# KiCad board Leonhart.kicad_pcb (continued)
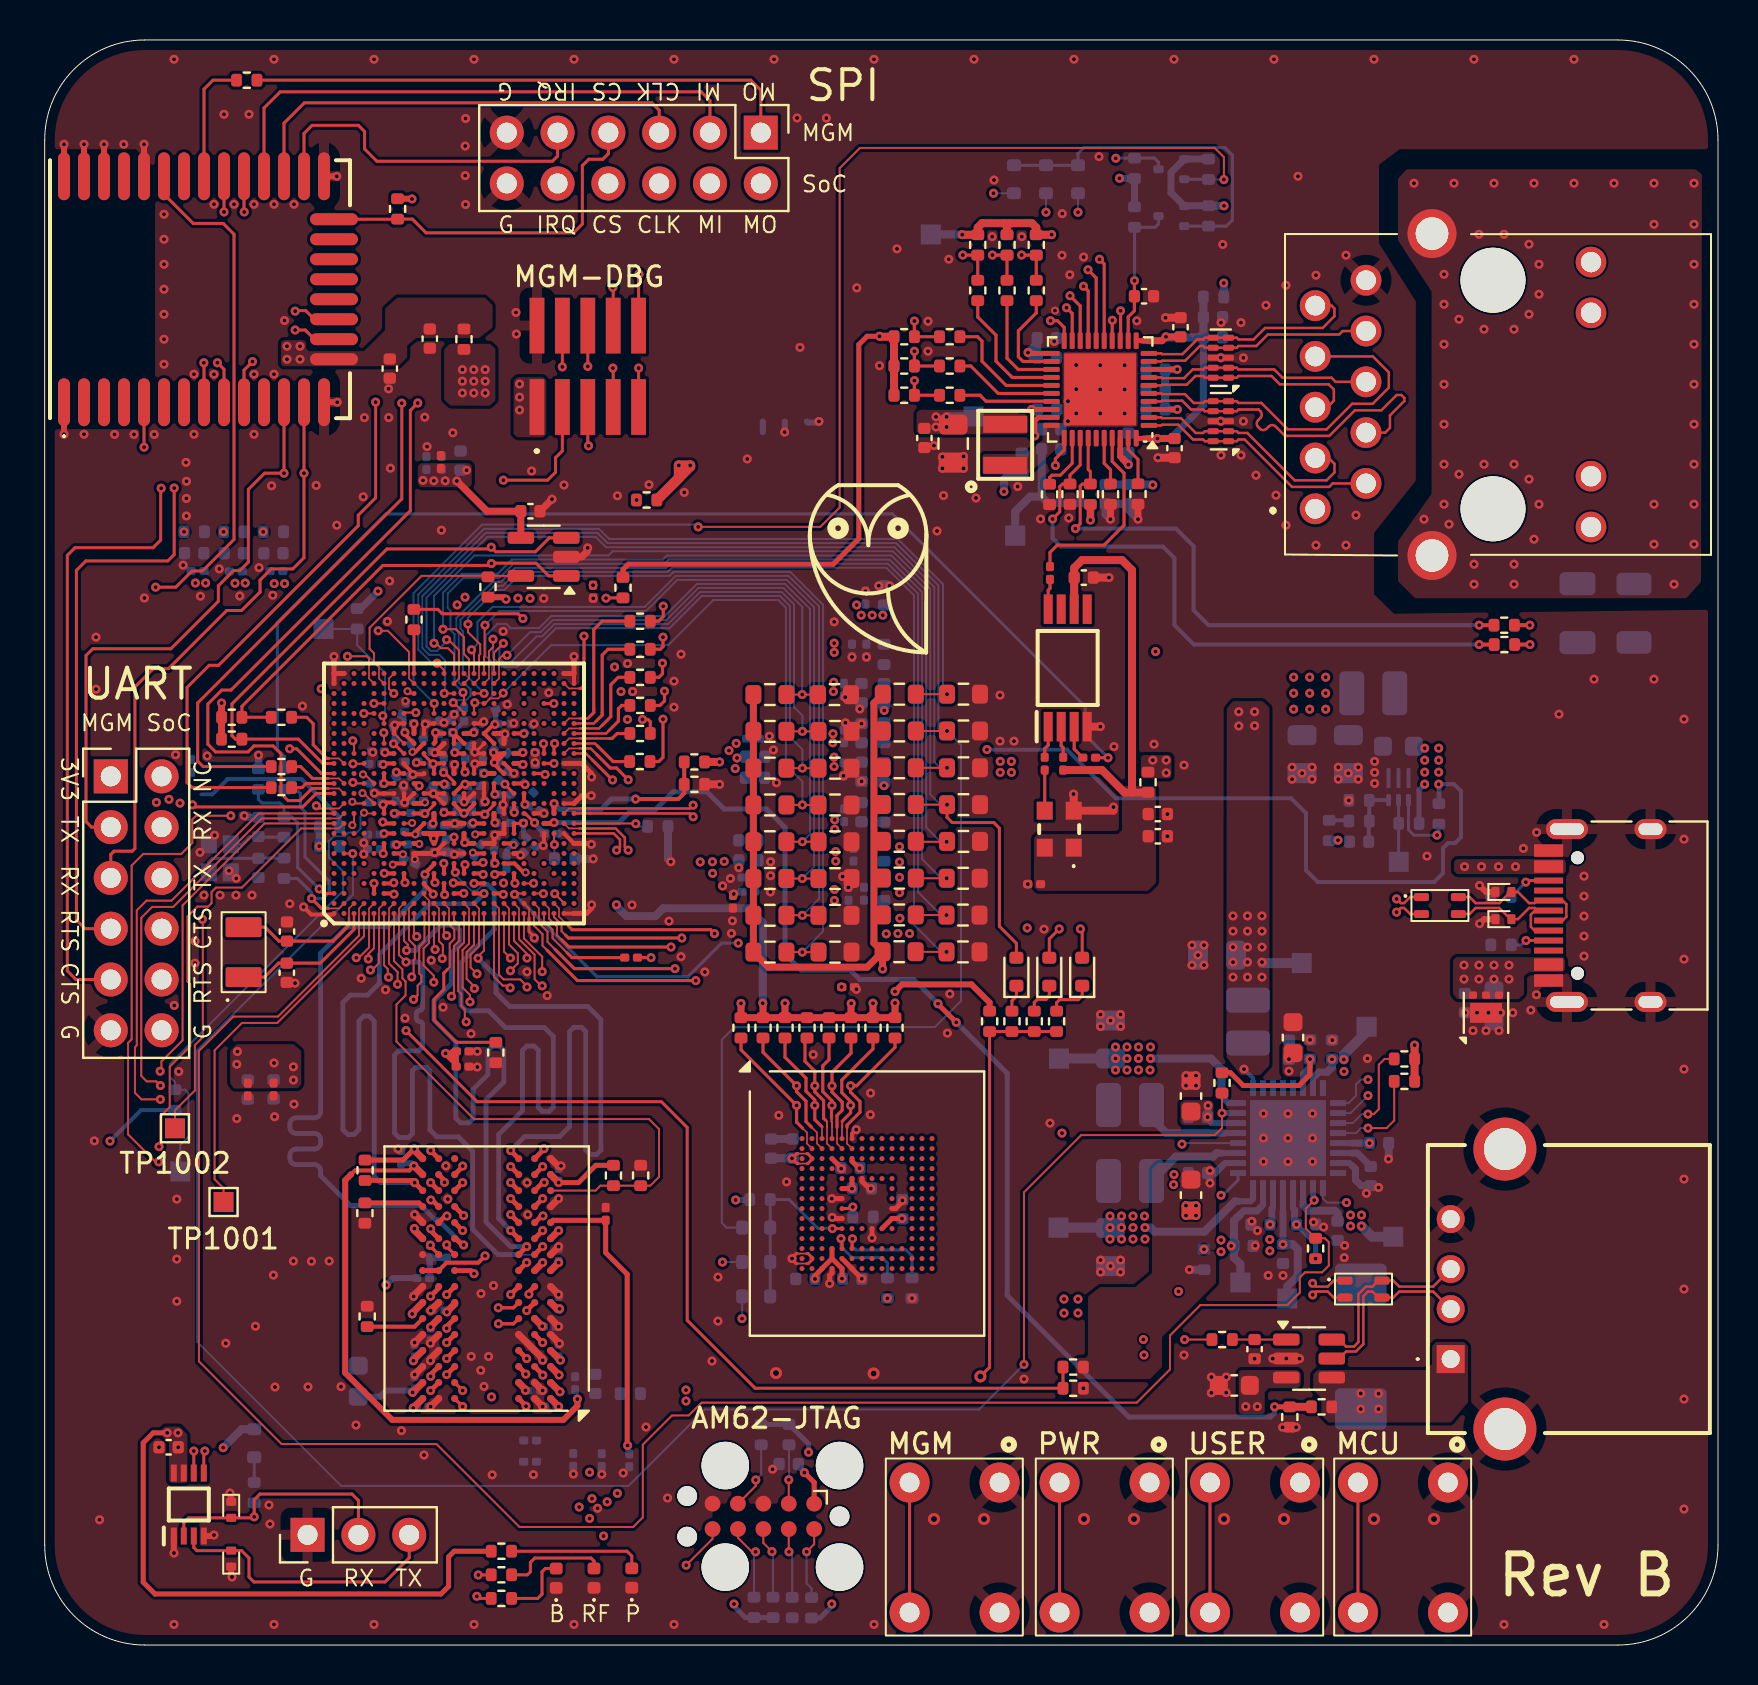
[diagram p0: board, top side]
## Routing (per net, layer and track width the routed paths; a pad name or vN(x,y) marks a point on that pad's centre or on a via; arc(x,y) is an arc through that point) (continued)
VDDA_1V8_USB: length 3.6
  Top w0.15: U1002.Y11 24.03,41.59 v1(24.49,41.12)
  In4.Cu w0.25: v1(24.49,41.12) 24.83,41.12 25.28,40.68 26.04,40.68 26.31,40.95
  Bottom w0.254: v1(24.49,41.12) 24.49,41.07 C3101.1
  vias: v1(39.5,41.27) v1(39.5,40.8)
VDDA_CORE_CSI: length 20.6
  Top w0.15: U1002.W13 23.46,42.59 23.01,43.03 v1(23.01,43.05)
  In3.Cu w0.3: 24.45,42.56 23.51,42.56 v1(23.01,43.05)
  In3.Cu w0.4: 24.45,42.56 24.55,42.56 24.99,43 25.64,43 28.19,45.55 31.11,45.55 32.53,46.97 39.21,46.97 39.45,47.21 39.45,47.66 v1(39.43,47.68) 39.45,47.7 v1(39.45,48.15)
  Bottom w0.254: C3107.1 22.91,43.05 v1(23.01,43.05)
VDDA_CORE_USB: length 19.9
  Top w0.2: U1002.W12 23.46,41.65 v1(23.47,41.64)
  In4.Cu w0.2: 26.1,42.97 25.93,42.8 24.83,42.8 24.5,42.46 23.84,42.46 23.47,42.1 v1(23.47,41.64)
  In4.Cu w0.3: 27.62,44.2 27.33,44.2 26.1,42.97
  In4.Cu w0.4: 27.62,44.2 28.99,44.2 29.58,43.61 33.95,43.61 34.39,43.17 35.76,43.17 36.99,44.4 38.96,44.4 ; 38.96,44.4 v1(39.47,44.4) v1(39.47,43.93) 39.43,43.93 38.96,44.4
VDDA_PLL0: length 19.4
  Top w0.254: U1002.U11 22.46,41.17 v1(22.51,41.12)
  In3.Cu w0.2: 24.58,40.57 24.5,40.66 23.76,40.66 23.3,41.12 23.14,41.12
  In3.Cu w0.4: 23.14,41.12 v1(22.51,41.12) ; 24.58,40.57 27.54,40.57 27.57,40.55 36.72,40.55 v1(39.49,37.78) v1(39.49,37.23)
VDDA_PLL1: length 21.7
  Top w0.25: v1(21.97,43.59) U1002.U15
  In3.Cu w0.25: 30.59,46.92 30.85,46.92 32.28,48.35 ; 25.49,46.1 25.24,46.1 24.26,45.12 23.52,45.12
  In3.Cu w0.3: v1(21.97,43.59) 22.68,43.59 23.05,43.96 23.05,44.85 23.32,45.12 23.52,45.12
  In3.Cu w0.4: 30.59,46.92 26.59,46.92 25.77,46.1 25.49,46.1 ; 32.28,48.35 32.62,48.69 38.9,48.69 39.47,49.27 v1(39.47,49.64) v1(39.47,50.1)
VDDA_PLL2: length 17
  Top w0.2: U1002.L14 19.95,43.09 v1(19.98,43.05)
  In3.Cu w0.1: 16.09,44.32 16.75,43.66 16.92,43.66 17.42,43.16 ; 19.34,43.05 18.83,42.54 18.5,42.54
  In3.Cu w0.15: 18.5,42.54 17.73,42.54 17.42,42.85 17.42,43.16 ; 15.57,44.58 15.83,44.58 16.09,44.32
  In3.Cu w0.2: v1(19.98,43.05) 19.34,43.05
  In3.Cu w0.25: 15.57,44.58 15.05,44.58 14.8,44.84
  In3.Cu w0.4: 14.8,44.84 14.04,45.59 14.04,46.75 13.08,47.71 13.08,51.99 v1(11.99,53.08) v1(11.47,53.08)
VDDR_CORE: length 10.7
  Top w0.15: U1002.N14 20.46,43.16 19.99,43.63 v1(19.94,43.63)
  Top w0.152: v1(19.94,43.63) 19.96,43.61 19.99,43.61 20.01,43.6 20.01,43.6
  Top w0.2: v1(21.41,41.11) 21.43,41.1 21.45,41.1 21.47,41.07 21.48,41.07 21.49,41.09 U1002.T10 ; v1(18.58,44.12) 18.57,44.11 18.57,44.09 18.57,44.09 U1002.K16 ; v1(21.02,43.65) 21,43.65 20.98,43.66 20.98,43.66 20.96,43.68 U1002.P16 ; U1002.U14 22.46,42.72 22.51,42.67 v1(22.51,42.54) ; U1002.R12 21.46,42.05 21.01,41.59 v1(20.96,41.59) 20.93,41.59 20.46,42.06 U1002.N12
  Top w0.25: v2(19.01,42.14) 19,42.12 18.96,42.09 U1002.J12
  Bottom w0.254: 20.59,41.69 20.87,41.69 v1(20.96,41.59) 21.06,41.69 21.34,41.69 21.35,41.7
  Bottom w0.3: U3001.19 62.91,22.15
  Bottom w0.35: 63.04,21.87 62.91,22 62.91,22.15
  Bottom w0.4: C3014.1 64.64,21.58 64.49,21.72 63.19,21.72 63.04,21.87
  Bottom w0.5: v1(65.84,20.95) 66.37,20.42 VDDR_CORE.1
  vias: v1(32.77,39.16) v1(33.38,39.17) v1(33.39,38.59) v1(33.97,39.19) v1(34.21,44.73) v1(34.57,45.09) v1(34.52,43.83) v1(34.61,44.36) v1(65.29,21.5) v1(65.29,20.95) v1(65.84,21.5)
VDDSHV5_SDIO: length 25.7
  Top w0.2: U1002.G17 17.06,44.59 v1(17.01,44.63)
  Top w0.5: 29.58,57.26 v1(29.59,57.26)
  In3.Cu w0.25: 15.14,46.53 15.53,46.13 15.9,46.13 16.5,45.53 16.5,45.18 17.01,44.67 v1(17.01,44.63)
  In3.Cu w0.5: 15.14,46.53 14.89,46.78 14.89,47.65 17.86,50.62 17.86,54.7 19.85,56.69 29.02,56.69 v1(29.59,57.26)
/Ethernet [5]/ETH_CFG_EXIT/LED0: length 3
  Top w0.15: U5002.32 51.37,59.09 50.78,58.5 50.36,58.5 50.24,58.38 R5020.2
/Ethernet [5]/ETH_CFG_LDO0/LED1: length 32
  Top w0.15: v1(50.39,56.31) 50.75,56.67 50.75,57.93 50.88,58.06 R5024.1 51.26,58.5 51.77,59.01 U5002.33
  Top w0.2: v1(71.72,50.03) R5039.1
  Bottom w0.2: v1(71.72,50.03) 57.46,50.03 56.48,51.01 56.48,54.36 55.91,54.93 50.81,54.93 50.39,55.35 v1(50.39,56.31)
/Ethernet [5]/ETH_CFG_LDO1/LED2: length 29.9
  Top w0.15: U5002.34 52.17,58.79 52.28,58.68 R5022.1 51.88,58.06 51.77,57.95 51.77,56.07 v1(51.53,55.83)
  Top w0.203: R5026.1 v1(71.72,51)
  Bottom w0.2: v1(51.53,55.83) 56.56,55.83 57.44,54.95 57.44,51.75 58.19,51 v1(71.72,51)
/Ethernet [5]/ETH_INTB: length 21.5
  Top w0.157: U5002.31 50.97,59.76 50.53,59.32 v1(50.53,58.99)
  In2.Cu w0.157: v1(53.55,74.35) 53.2,74.35 53.08,74.23 53.08,72.61 53.71,71.98 53.71,67.6 50.51,64.4 50.51,59.01 v1(50.53,58.99)
  Bottom w0.157: v1(53.55,74.35) 53.56,74.36 R5031.2 55.48,74.36 55.69,74.16 Q5002.3
/Ethernet [5]/ETH_LED_GREEN_A: length 25.9
  Top w0.2: R5039.2 v1(74.26,50.03)
  In3.Cu w0.2: U5001.11 78.53,69.16 79.01,68.68 79.01,50.34 78.7,50.03 v1(74.26,50.03)
/Ethernet [5]/ETH_LED_YELLOW_K: length 10.7
  Top w0.203: R5026.2 v1(74.25,51)
  In3.Cu w0.2: v1(74.25,51) 75.3,51 75.99,51.69 75.99,58.14 76.3,58.45 77.31,58.45
/Ethernet [5]/ETH_MD0+: length 12.3
  Top w0.124: U5001.2 64.4,58.09 64.22,57.92 62.36,57.92 59.99,60.29 59.69,60.29 59.6,60.2 U5004.1 U5004.10 58.01,60.2 57.92,60.29 57.42,60.29 56.68,61.03 55.87,61.03 55.83,60.99 U5002.1
/Ethernet [5]/ETH_MD0-: length 12.3
  Top w0.124: U5001.3 64.2,59.36 64.49,59.07 64.49,58.64 64.09,58.24 62.5,58.24 60.13,60.61 59.69,60.61 59.6,60.7 U5004.2 U5004.9 58.01,60.7 57.92,60.61 57.55,60.61 56.81,61.35 55.87,61.35 55.83,61.39 U5002.2
/Ethernet [5]/ETH_MD1+: length 18.4
  Top w0.124: U5002.4 55.83,62.19 55.87,62.23 56.88,62.23 57.32,61.79 57.92,61.79 58.01,61.7 U5004.7 U5004.4 59.6,61.7 59.69,61.79 60.7,61.79 60.78,61.7 arc(60.85,61.53) 60.78,61.36 60.67,61.25 arc(60.6,61.08) 60.67,60.91 60.76,60.83 arc(60.93,60.76) 61.09,60.83 61.21,60.94 arc(61.38,61.01) 61.54,60.94 62.02,60.47 64.23,60.47 65.51,61.75 66.83,61.75 67.6,62.51 67.83,62.51 67.98,62.36 67.98,62.22 67.26,61.49 67.26,60.87 67.03,60.63 U5001.4
/Ethernet [5]/ETH_MD1-: length 18.4
  Top w0.124: U5001.7 66.41,64.44 67.2,63.64 67.2,62.88 66.4,62.07 65.37,62.07 64.09,60.79 62.15,60.79 60.83,62.11 59.69,62.11 59.6,62.2 U5004.5 U5004.6 58.01,62.2 57.92,62.11 57.45,62.11 57.01,62.55 55.87,62.55 55.83,62.59 U5002.5
/Ethernet [5]/ETH_MD2+: length 11.4
  Top w0.124: U5001.5 64.13,61.9 64.46,62.22 64.46,62.79 64.2,63.05 61.76,63.05 61.34,63.46 59.69,63.46 59.6,63.38 U5003.1 U5003.10 58.01,63.38 57.92,63.46 57.54,63.46 57.1,63.03 55.87,63.03 55.83,62.99 U5002.6
/Ethernet [5]/ETH_MD2-: length 11.4
  Top w0.124: U5002.7 55.83,63.39 55.87,63.35 56.96,63.35 57.4,63.79 57.92,63.79 58.01,63.88 U5003.9 U5003.2 59.6,63.88 59.69,63.79 61.48,63.79 61.89,63.37 64.34,63.37 64.54,63.17 66.06,63.17
/Ethernet [5]/ETH_MD3+: length 11.6
  Top w0.124: U5001.8 64.9,65.71 64.72,65.54 61.15,65.54 60.58,64.96 59.69,64.96 59.6,64.88 U5003.4 U5003.7 58.01,64.88 57.92,64.96 57.76,64.96 57.02,64.23 55.87,64.23 55.83,64.19 U5002.9
/Ethernet [5]/ETH_MD3-: length 11.6
  Top w0.124: U5002.10 55.83,64.59 55.87,64.55 56.89,64.55 57.62,65.29 57.92,65.29 58.01,65.38 U5003.6 U5003.5 59.6,65.38 59.69,65.29 60.44,65.29 61.02,65.86 63.9,65.86 64.48,66.45 64.48,66.84 64.34,66.98 U5001.9
/Ethernet [5]/ETH_PHY_RD0: length 6.2
  Top w0.157: U5002.25 48.07,62.99 46.86,64.2 46.86,65.2 46.64,65.43 R5008.2
/Ethernet [5]/ETH_PHY_RD1: length 6.5
  Top w0.157: R5009.2 46.65,66.41 47.56,65.5 47.56,64.2 48.37,63.39 U5002.24
/Ethernet [5]/ETH_PHY_RD2: length 5.3
  Top w0.157: U5002.23 48.67,63.79 48.11,64.35 R5010.2
/Ethernet [5]/ETH_PHY_RD3: length 4.9
  Top w0.157: U5002.22 48.91,64.19 48.68,64.42 48.68,65.72 49.58,66.61 R5011.2
/Ethernet [5]/ETH_PHY_RX_CTL: length 5.1
  Top w0.157: U5002.26 47.67,62.59 46.3,63.96 R5013.2
/Ethernet [5]/ETH_PHY_RXC: length 4.7
  Top w0.157: R5012.2 46.77,62.5 47.06,62.2 50.33,62.2 U5002.27
/Ethernet [5]/ETH_PHY_TD0: length 43.3
  Top w0.157: v1(51.26,67.48) 51.77,66.97 U5002.18 ; v1(30.91,50.4) 30.91,49.93 30.78,49.8 R5014.2
  In2.Cu w0.099: v1(30.91,50.4) 34.27,50.4 41.91,58.04 41.91,63.44 42.53,64.06 42.53,64.67 43.44,65.58 45.09,65.58 46.72,67.21 46.93,67.21 47.06,67.07 47.06,66.85 44.29,64.07 44.29,63.83 44.41,63.71 44.62,63.71 48.38,67.48 v1(51.26,67.48)
/Ethernet [5]/ETH_PHY_TD1: length 41.5
  Top w0.157: v1(30.93,51.95) 30.93,51.43 30.7,51.2 R5015.2 ; v1(51.94,67.95) 52.17,67.72 U5002.17
  In2.Cu w0.099: v1(51.94,67.95) 51.74,68.15 43.69,68.15 43.6,68.05 43.6,67.85 43.73,67.72 45.82,67.72 45.94,67.6 45.94,67.38 45.83,67.27 45.03,67.27 arc(44.93,67.23) 44.89,67.13 arc(44.85,67.04) 44.76,67 44.63,67 arc(44.53,67.04) 44.49,67.13 arc(44.45,67.23) 44.36,67.27 44.23,67.27 arc(44.13,67.23) 44.09,67.13 arc(44.05,67.04) 43.96,67 43.83,67 arc(43.73,67.04) 43.69,67.13 arc(43.65,67.23) 43.56,67.27 42.88,67.27 41.12,65.51 41.12,58.52 34.55,51.95 v1(30.93,51.95)
/Ethernet [5]/ETH_PHY_TD2: length 46.2
  Top w0.157: U5002.16 52.57,68.37 v1(52.16,68.78) ; v1(30.91,46.3) 30.91,44.39 30.7,44.18 R5016.2
  In2.Cu w0.099: v1(30.91,46.3) 30.51,46.7 30.51,52.32 30.89,52.7 34.27,52.7 40.34,58.77 40.34,65.76 43.36,68.78 49.27,68.78 arc(49.39,68.82) 49.43,68.94 49.43,68.94 arc(49.48,69.05) 49.59,69.1 49.67,69.1 arc(49.79,69.05) 49.83,68.94 49.83,68.94 arc(49.88,68.82) 49.99,68.78 50.07,68.78 arc(50.19,68.82) 50.23,68.94 50.23,68.94 arc(50.28,69.05) 50.39,69.1 50.47,69.1 arc(50.59,69.05) 50.63,68.94 50.63,68.94 arc(50.68,68.82) 50.79,68.78 50.87,68.78 arc(50.99,68.82) 51.03,68.94 51.03,68.94 arc(51.08,69.05) 51.19,69.1 51.27,69.1 arc(51.39,69.05) 51.43,68.94 51.43,68.94 arc(51.48,68.82) 51.59,68.78 52.16,68.78 v1(52.16,68.78)
/Ethernet [5]/ETH_PHY_TD3: length 45.9
  Top w0.157: v1(29.89,46.29) 30.16,46.29 30.28,46.17 R5017.2 ; U5002.15 52.97,69.06 v1(52.74,69.3)
  In2.Cu w0.099: v1(52.74,69.3) 52.11,69.93 43.43,69.93 39.41,65.91 39.41,58.81 34.24,53.64 31.05,53.64 29.89,52.48 v1(29.89,46.29)
/Ethernet [5]/ETH_PHY_TX_CTL: length 46
  Top w0.157: v1(30.89,49.1) 30.89,48.57 30.71,48.39 R5019.2 ; v1(51.09,66.88) 51.37,66.59 U5002.19
  In2.Cu w0.099: v1(30.89,49.1) 34.31,49.1 38.21,52.99 38.26,53.05 arc(38.31,53.16) 38.26,53.28 38.24,53.3 arc(38.19,53.42) 38.24,53.53 38.29,53.59 arc(38.41,53.63) 38.52,53.59 38.55,53.56 arc(38.66,53.51) 38.77,53.56 38.83,53.62 arc(38.88,53.73) 38.83,53.84 38.8,53.87 arc(38.76,53.98) 38.8,54.09 38.86,54.15 arc(38.97,54.2) 39.09,54.15 39.11,54.12 arc(39.23,54.08) 39.34,54.12 39.4,54.18 arc(39.44,54.29) 39.4,54.41 39.37,54.43 arc(39.32,54.55) 39.37,54.66 39.43,54.72 arc(39.54,54.76) 39.65,54.72 39.68,54.69 arc(39.79,54.64) 39.9,54.69 39.96,54.75 arc(40.01,54.86) 39.96,54.97 39.94,55 arc(39.89,55.11) 39.94,55.23 39.99,55.28 arc(40.1,55.33) 40.22,55.28 40.24,55.26 arc(40.36,55.21) 40.47,55.26 40.53,55.31 arc(40.57,55.43) 40.53,55.54 40.5,55.57 arc(40.45,55.68) 40.5,55.79 40.56,55.85 arc(40.67,55.89) 40.78,55.85 40.81,55.82 arc(40.92,55.77) 41.04,55.82 41.09,55.88 arc(41.14,55.99) 41.09,56.1 41.07,56.13 arc(41.02,56.24) 41.07,56.36 41.12,56.41 arc(41.24,56.46) 41.35,56.41 41.38,56.39 arc(41.49,56.34) 41.6,56.39 41.66,56.44 arc(41.71,56.56) 41.66,56.67 41.63,56.7 arc(41.59,56.81) 41.63,56.92 41.69,56.98 arc(41.8,57.03) 41.92,56.98 41.94,56.95 arc(42.05,56.91) 42.17,56.95 42.22,57.01 arc(42.27,57.12) 42.22,57.24 42.2,57.26 arc(42.15,57.38) 42.2,57.49 42.25,57.55 arc(42.37,57.59) 42.48,57.55 42.51,57.52 arc(42.62,57.47) 42.73,57.52 43.47,58.26 43.47,62.09 43.31,62.25 43.17,62.25 43.01,62.09 43.01,58.51 42.87,58.37 42.65,58.37 42.52,58.5 42.52,62.47 42.74,62.69 44.48,62.69 48.89,67.1 50.87,67.1 v1(51.09,66.88)
  Bottom w0.118: v1(51.09,66.88) 51.11,66.88
/Ethernet [5]/ETH_PHY_TXC: length 45.6
  Top w0.157: v1(30.99,47.7) 30.99,47.21 30.77,46.99 R5018.2 ; v1(50.29,66.23) 50.64,66.23 50.97,65.89 U5002.20
  In2.Cu w0.099: v1(30.99,47.7) 33.96,47.7 38.63,52.37 40.02,52.37 44.35,56.7 44.35,56.95 44.23,57.06 44,57.06 39.75,52.81 39.54,52.81 39.41,52.95 39.41,53.14 43.99,57.72 43.99,61.54 48.67,66.23 v1(50.29,66.23)
/Ethernet [5]/ETH_PHYRSTB: length 7.5
  Top w0.157: v1(54.49,68.23) 54.48,68.22 54.48,66.72 54.17,66.41 U5002.12
  Bottom w0.157: v1(54.49,68.23) R5029.2 55.52,70.9 55.69,71.06 Q5001.3
/Ethernet [5]/ETH_PHYRSTB_DRAIN: length 17.6
  Bottom w0.157: D5002.2 D5003.2 D5001.2 51.66,74.59 51.95,74.88 59.01,74.88 59.38,74.52 59.38,71.25 59.08,70.95 R5028.2 58.18,70.96 Q5001.2
/Ethernet [5]/ETH_RD0: length 43.6
  Top w0.157: R5008.1 R5003.2 v1(43.48,66.21) ; U1002.AB17 24.96,45.05 v1(24.94,45.08)
  In5.Cu w0.099: v1(43.48,66.21) 41.7,66.21 39.48,64 39.48,60.47 36.24,57.23 36.24,56.76 36.04,56.56 arc(35.93,56.51) 35.82,56.56 35.57,56.81 arc(35.45,56.86) 35.34,56.81 35.28,56.75 arc(35.24,56.64) 35.28,56.53 35.53,56.28 arc(35.58,56.16) 35.53,56.05 35.48,55.99 arc(35.36,55.95) 35.25,55.99 35,56.24 arc(34.89,56.29) 34.77,56.24 34.72,56.19 arc(34.67,56.07) 34.72,55.96 34.97,55.71 arc(35.01,55.6) 34.97,55.48 34.91,55.43 arc(34.8,55.38) 34.68,55.43 34.44,55.68 arc(34.32,55.72) 34.21,55.68 34.15,55.62 arc(34.11,55.51) 34.15,55.39 34.4,55.14 arc(34.45,55.03) 34.4,54.92 34.35,54.86 arc(34.23,54.82) 34.12,54.86 33.87,55.11 arc(33.76,55.16) 33.64,55.11 33.59,55.05 arc(33.54,54.94) 33.59,54.83 33.84,54.58 arc(33.88,54.47) 33.84,54.35 33.78,54.3 arc(33.67,54.25) 33.55,54.3 33.3,54.55 arc(33.19,54.59) 33.08,54.55 33.02,54.49 arc(32.97,54.38) 33.02,54.26 33.27,54.01 arc(33.32,53.9) 33.27,53.79 33.21,53.73 arc(33.1,53.68) 32.99,53.73 32.74,53.98 arc(32.62,54.03) 32.51,53.98 32.46,53.92 arc(32.41,53.81) 32.46,53.7 32.7,53.45 arc(32.75,53.33) 32.7,53.22 32.65,53.16 arc(32.54,53.12) 32.42,53.16 32.17,53.41 arc(32.06,53.46) 31.95,53.41 31.89,53.36 arc(31.84,53.24) 31.89,53.13 32.14,52.88 arc(32.19,52.77) 32.14,52.66 32.08,52.6 arc(31.97,52.55) 31.86,52.6 31.61,52.85 arc(31.49,52.9) 31.38,52.85 31.32,52.79 arc(31.28,52.68) 31.32,52.57 31.57,52.32 arc(31.62,52.2) 31.57,52.09 31.43,51.94 31.43,48.87 29.56,47.01 26.49,47.01 24.94,45.46 v1(24.94,45.08)
  Bottom w0.157: R5003.2 v1(43.48,66.21)
/Ethernet [5]/ETH_RD1: length 43.2
  Top w0.102: 25.46,45.05 v1(25.5,45.09)
  Top w0.157: v1(45.9,69.51) 45.91,69.51 R5002.2 46.65,68.25 ; U1002.AC17 25.46,45.05
  In5.Cu w0.099: v1(25.5,45.09) 25.74,45.33 30.64,45.33 32.24,46.94 32.24,51.88 36.92,56.55 arc(36.97,56.67) 36.92,56.78 36.87,56.83 arc(36.82,56.94) 36.87,57.06 36.93,57.11 arc(37.04,57.16) 37.15,57.11 37.2,57.06 arc(37.32,57.01) 37.43,57.06 37.49,57.12 arc(37.53,57.23) 37.49,57.34 37.43,57.4 arc(37.39,57.51) 37.43,57.62 37.49,57.68 arc(37.6,57.73) 37.72,57.68 37.77,57.63 arc(37.88,57.58) 37.99,57.63 38.05,57.68 arc(38.1,57.8) 38.05,57.91 38,57.96 arc(37.95,58.07) 38,58.19 38.06,58.24 arc(38.17,58.29) 38.28,58.24 38.33,58.19 arc(38.45,58.15) 38.56,58.19 38.62,58.25 arc(38.66,58.36) 38.62,58.48 38.57,58.53 arc(38.52,58.64) 38.57,58.75 38.62,58.81 arc(38.74,58.86) 38.85,58.81 38.9,58.76 arc(39.01,58.71) 39.13,58.76 39.18,58.82 arc(39.23,58.93) 39.18,59.04 39.13,59.09 arc(39.08,59.21) 39.13,59.32 39.19,59.38 arc(39.3,59.42) 39.41,59.38 39.47,59.32 arc(39.58,59.28) 39.69,59.32 39.75,59.38 arc(39.8,59.49) 39.75,59.61 39.7,59.66 arc(39.65,59.77) 39.7,59.88 39.75,59.94 arc(39.87,59.99) 39.98,59.94 40.03,59.89 arc(40.14,59.84) 40.26,59.89 40.51,60.15 40.51,63.55 42.6,65.64 44.49,65.64 45.9,67.05 v1(45.9,69.51)
  Bottom w0.157: v1(45.9,69.51) 45.91,69.51 R5002.2
/Ethernet [5]/ETH_RD2: length 44.3
  Top w0.157: U1002.AB16 v1(25.46,44.09) ; 48.11,68.25 R5032.2 47.39,69.51 v1(47.38,69.51)
  In5.Cu w0.099: v1(47.38,69.51) 47.38,68.85 46.72,68.19 46.72,67.15 44.7,65.13 43.21,65.13 42.72,64.64 42.72,64.35 41.28,62.91 41.28,59.84 33.85,52.41 33.85,50.58 33.7,50.42 33.51,50.42 33.36,50.58 33.36,51.64 33.22,51.79 33.02,51.79 32.88,51.65 32.88,46.72 30.88,44.72 26.1,44.72 v1(25.46,44.09)
  Bottom w0.157: R5032.2 47.39,69.51 v1(47.38,69.51)
/Ethernet [5]/ETH_RD3: length 44.8
  Top w0.157: v1(25.02,43.53) 24.97,43.59 U1002.AA15 ; 49.58,68.25 R5001.2 48.85,69.51 v1(48.84,69.51)
  In5.Cu w0.099: v1(25.02,43.53) 25.07,43.59 26.28,43.59 26.99,42.87 31.69,42.87 34.73,45.91 34.73,49.14 43.99,58.4 43.99,63.27 45.63,64.92 46.93,64.92 48.84,66.83 v1(48.84,69.51)
  Bottom w0.157: v1(48.84,69.51) 48.85,69.51 R5001.2
/Ethernet [5]/ETH_RSET: length 2.5
  Top w0.15: U5002.39 54.17,59.78 54.66,59.29 R5023.1
/Ethernet [5]/ETH_RX_CTL: length 44.5
  Top w0.12: U1002.AE17 27.06,44.59 27.37,44.28
  Top w0.157: v1(28.39,43.26) 28.38,43.27 28.37,43.27 27.37,44.28 ; v1(43.48,64.7) R5034.2 R5013.1
  In5.Cu w0.099: v1(28.39,43.26) 29.02,43.89 31.03,43.89 33.53,46.39 33.53,49.56 38.46,54.49 38.46,54.75 38.35,54.86 38.07,54.86 34.68,51.48 34.49,51.48 34.34,51.63 34.34,51.88 42.84,60.39 42.84,63.41 43.48,64.06 v1(43.48,64.7)
  Bottom w0.157: R5034.2 v1(43.48,64.7)
/Ethernet [5]/ETH_RXC: length 45
  Top w0.081: U1002.AD17 26.21,44.84 26.75,44.84
  Top w0.12: 27.59,44.55 27.3,44.84 26.75,44.84
  Top w0.157: v1(29.17,43.27) 28.58,43.86 28.27,43.86 27.59,44.55 ; v1(43.48,63.23) R5033.2 R5012.1
  In5.Cu w0.099: v1(29.17,43.27) 31.24,43.27 34.16,46.19 34.16,49.49 39.04,54.36 39.04,55.6 42.63,59.19 42.81,59.19 42.93,59.06 42.93,58.87 39.52,55.45 39.52,55.23 39.63,55.12 39.84,55.12 43.48,58.76 v1(43.48,63.23)
  Bottom w0.157: R5033.2 v1(43.48,63.23)
/Ethernet [5]/ETH_TD0: length 6.1
  Top w0.12: 27.57,46.2 27.46,46.09 U1002.AE20
  Top w0.157: R5014.1 28.17,49.8 27.88,49.51 27.88,46.51 27.57,46.2
/Ethernet [5]/ETH_TD1: length 7.8
  Top w0.081: U1002.AD20 26.21,46.34 26.75,46.34
  Top w0.12: 26.75,46.34 27.16,46.34 27.24,46.41
  Top w0.157: R5015.1 27.87,51.2 27.45,50.78 27.45,46.63 27.24,46.41
/Ethernet [5]/ETH_TD2: length 3.2
  Top w0.12: 27.64,44.96 27.51,45.09 U1002.AE18
  Top w0.157: 27.64,44.96 28.42,44.18 R5016.1
/Ethernet [5]/ETH_TD3: length 3.5
  Top w0.081: U1002.AD18 26.21,45.34 26.75,45.34
  Top w0.12: 26.75,45.34 28.25,45.34
  Top w0.157: 28.25,45.34 28.37,45.34 28.62,45.58 R5017.1
/Ethernet [5]/ETH_TX_CTL: length 5.4
  Top w0.081: 26.75,45.84 26.21,45.84 U1002.AD19
  Top w0.12: 26.75,45.84 27.72,45.84 27.86,45.98
  Top w0.157: R5019.1 28.67,48.39 28.3,48.02 28.3,46.42 27.86,45.98
/Ethernet [5]/ETH_TXC: length 3.7
  Top w0.12: 28.21,45.73 28.07,45.59 U1002.AE19
  Top w0.157: R5018.1 28.85,46.99 28.68,46.82 28.68,46.2 28.21,45.73
/Ethernet [5]/ETH_XTAL_IN: length 2.4
  Top w0.157: R5021.2 53.29,58.78 52.97,59.09 U5002.36
/Host System [1]/BOOTMODE2: length 45.2
  Top w0.081: U1002.N24 20.71,48.34 20.71,48.9
  Top w0.1: v1(20.09,50.27) 20.1,50.26 20.2,50.26 20.71,49.75 20.71,48.9 ; v1(45.11,43.87) 43.56,43.87 R1015.2
  Bottom w0.1: v1(20.09,50.27) 20.09,50.19 19.62,49.72 19.31,49.72 19.08,49.94 19.08,52.37 22.13,55.42 27.54,55.42 28.07,54.9 42.49,54.9 44.48,52.91 44.48,44.16 44.77,43.87 v1(45.11,43.87)
/Host System [1]/BOOTMODE3: length 54.3
  Top w0.1: v1(45.11,42.03) 45.11,42.03 43.56,42.03 R1014.2 ; U1002.N25 20.46,49.55 20.16,49.85 19.81,49.85 19.56,50.1 v1(19.46,50.1)
  Top w0.15: D1001.2 48.58,35.09 47.73,35.94 47.73,40.85 47.45,41.13 45.37,41.13 45.11,41.39 v1(45.11,42.03)
  Bottom w0.1: v1(45.11,42.03) 44.79,42.03 44.28,42.54 44.28,52.82 42.4,54.7 28.4,54.7 28.19,54.49 21.49,54.49 19.46,52.46 v1(19.46,50.1)
/Host System [1]/BOOTMODE4: length 46
  Top w0.081: 21.21,48.9 21.21,48.34 U1002.P24
  Top w0.1: v1(19.91,50.8) 20.56,50.8 20.96,50.4 20.96,49.55 21.21,49.3 21.21,48.9 ; R1038.1 v1(45.1,40.17) 43.58,40.17 R1013.2
  Bottom w0.1: v1(19.91,50.8) 19.91,52.63 20.85,53.57 22.65,53.57 23.36,54.28 30.91,54.28 31.11,54.48 42.33,54.48 44.07,52.74 44.07,40.88 44.79,40.17 v1(45.1,40.17)
/Host System [1]/BOOTMODE5: length 47.5
  Top w0.1: v1(20.92,47.63) 20.92,47.63 20.96,47.59 U1002.P22 ; v1(45.1,38.34) 43.56,38.34 R1012.2
  Bottom w0.1: v1(20.92,47.63) 20.5,48.05 20.5,50.54 20.29,50.75 20.29,51.72 20.15,51.86 20.15,52.58 20.93,53.36 22.6,53.36 22.6,53.37 22.73,53.37 23.43,54.07 30.98,54.07 31.19,54.28 42.25,54.28 43.87,52.66 43.87,39.3 44.83,38.34 v1(45.1,38.34)
/Host System [1]/BOOTMODE6: length 49.3
  Top w0.1: v1(45.09,36.5) 43.56,36.5 R1011.2 ; v1(20.42,47.12) 20.46,47.12 20.96,46.62 U1002.P21
  Bottom w0.1: v1(20.42,47.12) 20.55,47.25 21.07,47.25 21.3,47.48 21.3,47.79 21.07,48.01 20.82,48.01 20.7,48.14 20.7,50.63 20.58,50.75 20.58,51.35 22.39,53.16 22.61,53.16 22.61,53.16 22.68,53.16 22.68,53.16 22.81,53.16 23.52,53.87 31.07,53.87 31.11,53.91 31.11,53.91 31.28,54.08 42.16,54.08 43.67,52.57 43.67,37.66 44.82,36.5 v1(45.09,36.5)
/Host System [1]/BOOTMODE7: length 49.2
  Top w0.1: R1010.2 43.55,34.66 v1(45.09,34.66) ; v1(21.97,47.59) 21.96,47.59 U1002.R23
  Bottom w0.1: v1(21.97,47.59) 20.9,48.66 20.9,50.71 20.78,50.83 20.78,51.27 22.47,52.96 22.79,52.96 22.79,52.96 22.9,52.96 23.6,53.67 31.15,53.67 31.19,53.7 31.19,53.7 31.36,53.87 42.08,53.87 43.47,52.49 43.47,36.01 44.82,34.66 v1(45.09,34.66)
/Host System [1]/BOOTMODE8: length 42.5
  Top w0.081: U1002.R24 21.71,48.34 21.71,48.9
  Top w0.1: v1(21.16,51.05) 21.16,50.65 21.77,50.04 21.77,49.56 21.71,49.5 21.71,48.9 ; R1009.2 37.88,34.65 v1(37.88,34.65) R1034.1
  Bottom w0.1: v1(37.88,34.65) 38.92,35.69 38.92,52.03 37.27,53.67 31.45,53.67 31.4,53.62 31.39,53.62 31.27,53.5 31.27,53.5 31.23,53.46 23.68,53.46 22.98,52.76 22.88,52.76 22.87,52.76 22.56,52.76 21.16,51.37 v1(21.16,51.05)
/Host System [1]/BOOTMODE9: length 38.8
  Top w0.1: R1033.1 37.89,36.49 v1(37.88,36.49) R1008.2 ; v1(21.34,49.77) 21.46,49.65 U1002.R25
  Bottom w0.1: v1(21.34,49.77) 21.63,50.06 21.63,51.16 22.39,51.91 30,51.91 31.55,53.47 37.19,53.47 38.71,51.94 38.71,37.32 v1(37.88,36.49)
/Host System [1]/BOOTMODE10: length 35.8
  Top w0.1: U1002.T25 21.96,49.4 21.99,49.43 21.99,50.98 v1(22.01,51) ; R1032.1 37.88,38.33 v1(37.88,38.33) R1007.2
  Bottom w0.1: v1(37.88,38.33) 38.47,38.92 38.47,51.9 37.1,53.26 31.63,53.26 30.08,51.71 22.72,51.71 v1(22.01,51)
/Host System [1]/BOOTMODE11: length 52.7
  Top w0.1: v1(21.5,47.12) 21.49,47.12 21.46,47.1 U1002.R21 ; R1006.2 v1(37.88,40.17) 37.89,40.17 R1031.1
  Top w0.15: D1002.2 50.23,35.31 v1(50.72,35.81)
  In5.Cu w0.15: v1(37.88,40.17) 40.29,40.17 40.66,40.55 43.54,40.55 47.3,36.79 49.74,36.79 v1(50.72,35.81)
  Bottom w0.1: v1(37.88,40.17) 38.26,40.55 38.26,51.81 37.02,53.06 32.6,53.06 30.99,51.45 25.31,51.45 24.71,50.85 24.18,50.85 24.18,50.85 23.3,50.85 23.08,51.07 22.64,51.07 22.03,50.46 22.03,49.47 22.36,49.14 22.36,47.45 22.04,47.12 v1(21.5,47.12)
/Host System [1]/BOOTMODE12: length 29.2
  Top w0.081: v1(22.92,47.61) 22.92,47.59 22.67,47.34 22.27,47.34 22.02,47.09 U1002.T22
  Top w0.1: R1030.1 37.89,42.01 v1(37.88,42.01) R1005.2
  Bottom w0.1: v1(22.92,47.61) 25.32,50 31.17,50 33.43,52.26 36.68,52.26 37.06,51.88 37.06,44.01 37.88,43.18 v1(37.88,42.01)
/Host System [1]/BOOTMODE13: length 49.1
  Top w0.081: 22.21,48.9 22.21,48.34 U1002.T24
  Top w0.1: R1004.2 37.88,43.85 v1(37.88,43.85) 37.89,43.85 R1029.1 ; 22.21,48.9 22.21,49.7 22.41,49.9 v1(22.41,50.3)
  Top w0.15: v1(51.78,35.81) 51.87,35.72 D1003.2
  In5.Cu w0.15: v1(51.78,35.81) 50.09,37.5 48.48,37.5 43.97,42.01 39.04,42.01 37.88,43.17 v1(37.88,43.85)
  Bottom w0.1: v1(37.88,43.85) 37.88,44.78 37.26,45.4 37.26,51.96 36.76,52.46 32.85,52.46 31.24,50.85 25.56,50.85 23.63,48.92 22.87,48.92 22.41,49.37 v1(22.41,50.3)
/Host System [1]/BOOTMODE14: length 27.2
  Top w0.1: R1028.1 37.89,45.69 v1(37.88,45.69) 37.88,45.69 R1003.2 ; v1(22.93,50.09) 22.46,49.63 U1002.U25
  Bottom w0.1: v1(22.93,50.09) 22.73,49.9 22.73,49.34 22.96,49.12 23.27,49.12 24.59,50.44 24.87,50.44 25.48,51.05 31.16,51.05 32.77,52.66 36.84,52.66 37.46,52.04 37.46,46.9 37.88,46.48 v1(37.88,45.69)
/Host System [1]/BOOTMODE15: length 24.3
  Top w0.081: 22.71,48.9 22.71,48.34 U1002.U24
  Top w0.1: 22.71,48.9 22.71,49.31 22.91,49.5 v1(23.11,49.5) ; R1002.2 37.87,47.53 v1(37.87,47.53) 37.88,47.53 R1027.1
  Bottom w0.1: v1(37.87,47.53) 37.87,51.92 36.93,52.86 32.69,52.86 31.08,51.25 25.4,51.25 24.8,50.65 24.26,50.65 v1(23.11,49.5)
/Host System [1]/CLKBUF_1G: length 1.6
  Top w0.157: R1020.2 50.92,44.88 50.82,44.98 50.82,45.92
/Host System [1]/CLKOUT: length 1.6
  Top w0.157: R1022.2 50,44.83 50.17,45 U1001.1
/Host System [1]/CLKOUT_OSC: length 2
  Top w0.157: X1001.3 R1022.1
/Host System [1]/EEP_WP: length 11.8
  Top w0.081: U1002.F24 16.71,48.34 16.71,48.9
  Top w0.1: U1004.5 22.21,53.47 R1060.2 22.12,53.47 18.84,53.47 16.24,50.87 16.24,49.82 16.46,49.6 16.46,49.15 16.71,48.9
/Host System [1]/ETH_CLK_BUF: length 1.5
  Top w0.157: R1023.1 50.26,52.84 50.17,52.75 U1001.8
/Host System [1]/I2C_SCL_SoC: length 4.2
  Top w0.081: 14.19,44.34 14.71,44.34 U1002.B16
  Top w0.15: 14.19,44.34 14.11,44.34 13.42,45.02 13.42,46.07 13.1,46.4 R1046.1
/Host System [1]/MCU_ERRORN: length 18.7
  Top w0.1: U1002.D1 15.96,35.44 11.63,31.11 9.86,31.11 8.49,29.74 8.49,23.29 8.94,22.84 TP1001.1
/Host System [1]/MCU_OSC0_XI: length 11.3
  Top w0.081: U1002.B2 14.71,36.84 14.18,36.84
  Top w0.157: 14.18,36.84 13.84,36.84 v1(13.34,37.33)
  Bottom w0.157: R1047.1 12.63,38.33 13.34,37.62 v1(13.34,37.33) 13.91,37.33 14.22,37.64 14.22,38.2 13.01,39.41 13.01,41.67 12.79,41.89 12.79,42.58 12.57,42.79 R1045.1
/Host System [1]/MCU_OSC0_XO: length 7.8
  Top w0.157: v1(13.72,37.81) 13.95,37.59 U1002.A3
  Bottom w0.157: v1(13.72,37.81) 12.64,38.89 12.64,41.12 12.34,41.42 R1052.1 11.96,41.9 11.75,42.11 10.86,42.11 10.68,42.29 R1053.2